# Altium PCB Brake Module PCB.PcbDoc (continued)
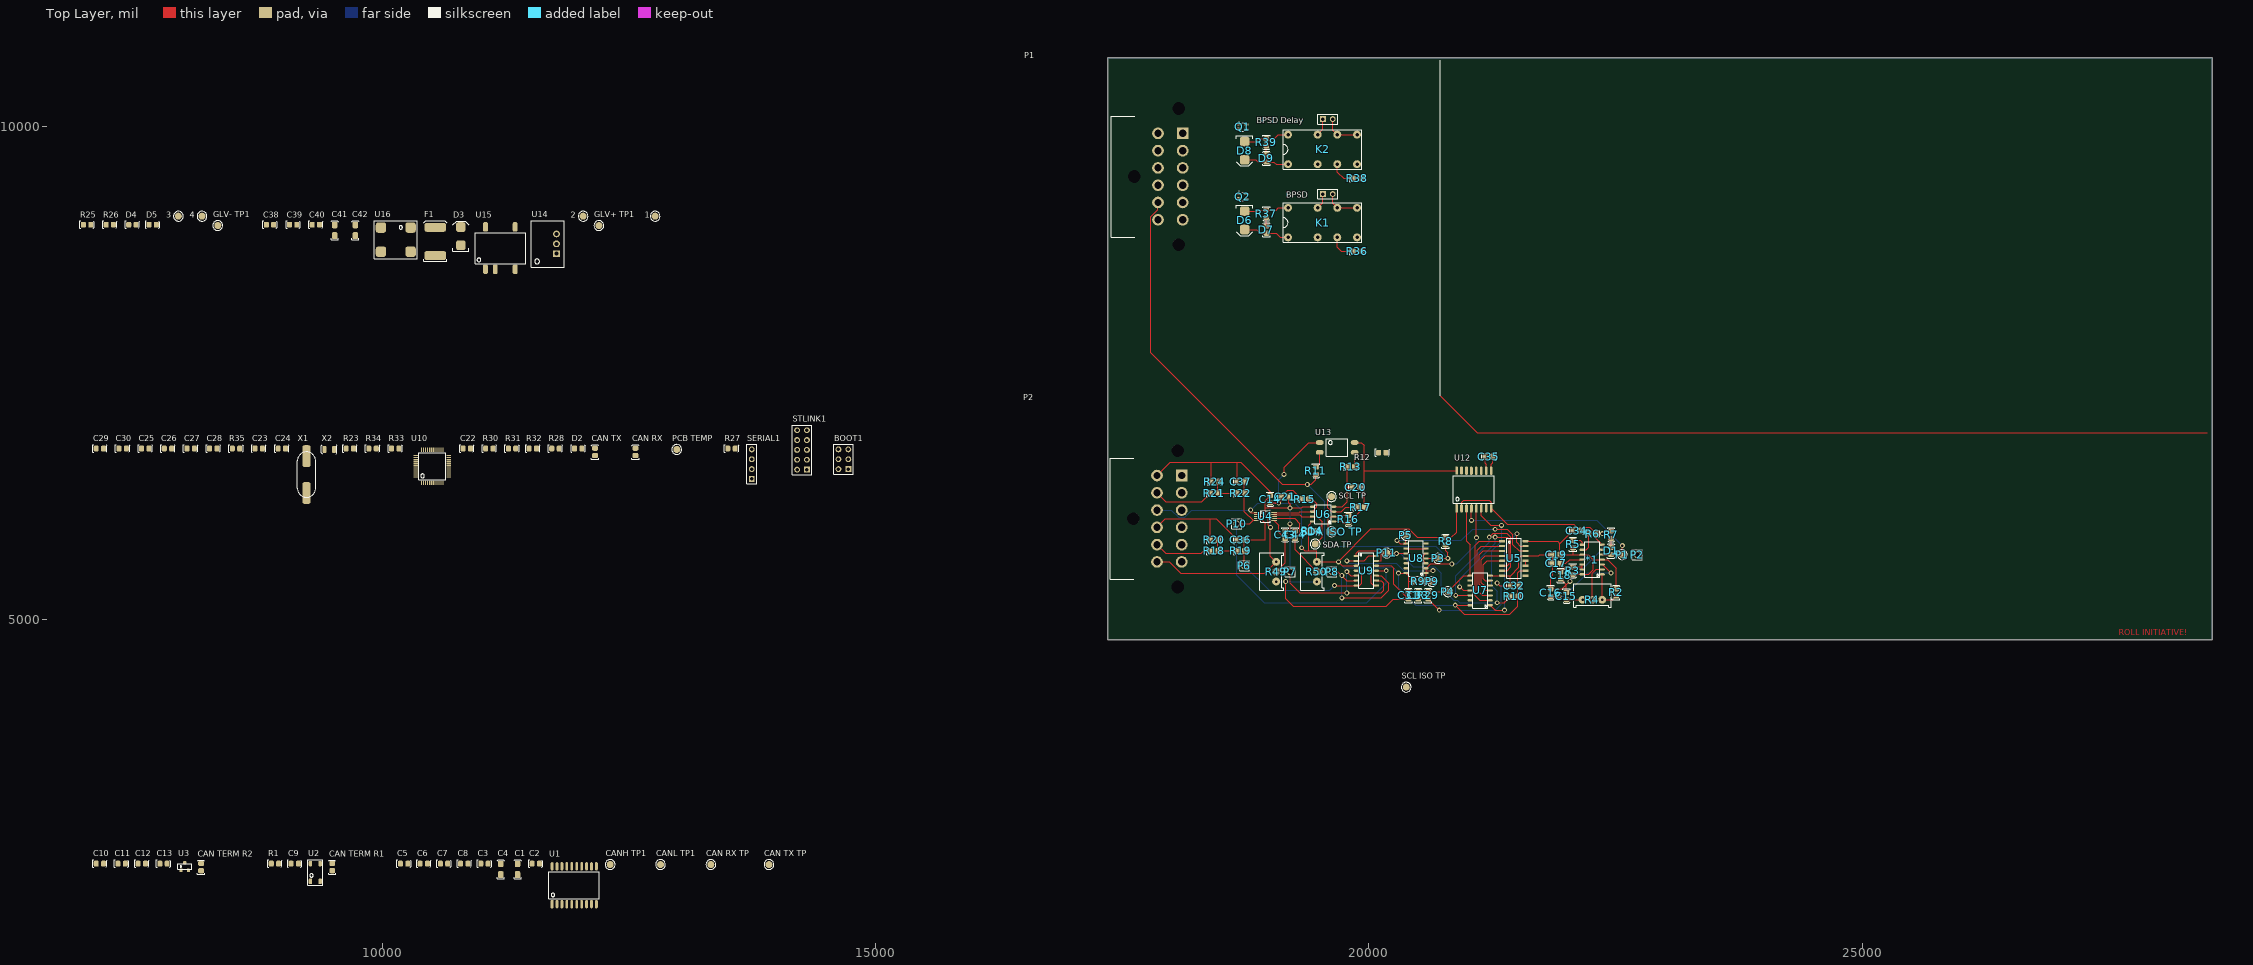
[diagram p0: Top Layer view]
## Part data (continued)
BPSD "BPSD Delay": library part "TH 2.54mm Header 1x2", Angle=0, Contact=NA, Flange=No, Part Number="TH 2.54mm Header 1x2", Pitch=2.54mm, Positions=2, Row Spacing=2.54mm
C1 C4: library part GCM3195C2A103JA16D, Digikey Part Number=490-4978-2-ND, Manufacturer=muRata, Rated Voltage=100V, Tolerance=5%, Material=Ceramic, Part Number=GCM3195C2A103JA16D
C2 C3 C6 C8 C14 C19 C20 C21 C22 C26 C27 C28 C31 C32 C33 C34 C35 C36 C37 C43 C44: library part GCM21BR71E104KA37L, Manufacturer=muRata, Rated Voltage=25V, Tolerance=10%, Material=X7R, Part Number=GCM21BR71E104KA37L
C5 C7 C15 C18 C38 C39 C40: library part GRM21BR6YA106KE43L, Digikey Part Number=490-10514-6-ND, Manufacturer=muRata, Rated Voltage=50V, Tolerance=10%, Material=X5R, Part Number=GRM21BR6YA106KE43L
C9 C23 C24 C29 C30: library part GCM21B5C1H220JA37L, Manufacturer=muRata, Rated Voltage=50V, Tolerance=5%, Material=C0G, Part Number=GCM21B5C1H220JA37L
C10 C11 C12 C13: library part GCM21B5C1H101JA37L, Manufacturer=muRata, Rated Voltage=50V, Tolerance=5%, Material=C0G, Part Number=GCM21B5C1H101JA37L
C16 C17: library part GCM21B5C1H100JA37L, Manufacturer=muRata, Rated Voltage=50V, Tolerance=5%, Material=C0G, Part Number=GCM21B5C1H100JA37L
C25: library part AC0805KKX7R8BB105, Manufacturer=YAGEO, Rated Voltage=25V, Tolerance=10%, Material=X7R, Part Number=AC0805KKX7R8BB105
C41 C42: library part CC1206MKX5R7BB226, Digikey Part Number=311-1997-2-ND, Manufacturer=YAGEO, Rated Voltage=16V, Tolerance=20%, Material=Ceramic, Part Number=CC1206MKX5R7BB226
"CAN RX" "CAN TX": library part SML-MN2BCTT86C, "LED BLUE CLEAR 2012 SMD", Digikey Part Number=846-1207-1-ND, Manufacturer="ROHM Semiconductor", Colour=Blue, Digikey Link=https://www.digikey.com/product-detail/en/rohm-semiconductor/SMLMN2BCTT86C/846-1207-1-ND/6057239, Part Number=SML-MN2BCTT86C
"CAN TERM R1" "CAN TERM R2": library part RC0805FR0756RL, Manufacturer=YAGEO, Rated Voltage=0.125W, Tolerance=0.01, Material=FR-07, Part Number=RC0805FR0756RL
D1: library part SML-211YTT86, "Yellow LED Indication - Discrete 1.75V 0805 (2012 Metric)", Digikey Part Number=511-1293-1-ND, Manufacturer="ROHM Semiconductor", Colour=Yellow, Digikey Link=https://www.digikey.com/product-detail/en/rohm-semiconductor/SML-211YTT86/511-1293-1-ND/637106, Part Number=SML-211YTT86
D2 D4 D5: library part SML-210LTT86, "Red LED Indication - Discrete 1.75V 0805 (2012 Metric)", Digikey Part Number=511-1286-1-ND, Manufacturer="ROHM Semiconductor", Colour=Red, Digikey Link=https://www.digikey.com/product-detail/en/rohm-semiconductor/SML-210LTT86/511-1286-1-ND/637099, Part Number=SML-210LTT86
D3 D6 D8: "1.2V_F 600V 5A SMB", Digikey Part Number=1655-1530-2-ND, Manufacturer="SMC Diode Solutions", Digikey Link=https://www.digikey.com/product-detail/en/smc-diode-solutions/SD560BTR/1655-1530-2-ND/6022620, Part Number=SD560BTR
D7 D9: library part SML-210FTT86, "Green LED Indication - Discrete 1.75V 0805 (2012 Metric)", Digikey Part Number=511-1285-1-ND, Manufacturer="ROHM Semiconductor", Colour=Green, Digikey Link=https://www.digikey.com/product-detail/en/rohm-semiconductor/SML-210FTT86/511-1285-1-ND/637098, Part Number=SML-210FTT86
F1: "PTC RESET FUSE 60V 1A 292", Digikey Part Number=507-2070-1-ND, Manufacturer="Littelfuse Inc.", Digikey Link=https://www.digikey.com/product-detail/en/bel-fuse-inc/0ZCF0100AF2A/507-2070-1-ND/6210547, Part Number=0ZCF0100AF2A
K1 K2: "5V DPDT Relay 3A 220VDC", Digikey Part Number=PB383-ND, Manufacturer=Axicom, Digikey Link=https://www.digikey.com/products/en?mpart=V23105A5001A201&v=41, Part Number=V23105A5475A201
P1 P2: library part DT13-12P[[/\]]DT13-12P, Digikey Part Number=1734-1451-ND, Angle=90, Contact=Nickel, Digikey Link=https://www.digikey.com.au/product-detail/en/te-connectivity-deutsch-connectors/DT13-12PA/1734-1451-ND/7220123, Flange=Yes, Part Number=DT13-12P, Pitch=4.44mm, Positions=12, Row Spacing=6.35mm
P2 P6 P7 P8 P10: library part "TH Test Point", Angle=0, Contact=NA, Flange=No, Part Number="TH Test Point", Pitch=0mm, Positions=1, Row Spacing=0mm
Q1 Q2: "60V 380mA, NFET MOSTFET (Small Signal)", Digikey Part Number=2N7002KCT-ND, Manufacturer="ON Semiconductor", Digikey Link=https://www.digikey.com/product-detail/en/on-semiconductor/2N7002K/2N7002KCT-ND/2060375, LatestRevisionDate=29-May-2009, LatestRevisionNote="IPC-7351 Footprint Added.", PackageDescription="4-Pin SOT-343 Package 1.3 mm Pitch, 2.1 mm Lead Span", PackageReference=SOT-343, PackageVersion=Sep-2000, Part Number=2N7002K, Published=24-Mar-1999, Publisher="Altium Limited", Qty=30
R1 R18 R21: library part RC0805FR070RL, Manufacturer=YAGEO, Rated Voltage=0.125W, Tolerance=0.01, Material=FR-07, Part Number=RC0805FR070RL
R2 R13 R23 R27 R29 R33 R34: library part RC0805FR0710KL, Manufacturer=YAGEO, Rated Voltage=0.125W, Tolerance=0.01, Material=FR-07, Part Number=RC0805FR0710KL
R3: library part RC0805FR071ML, Manufacturer=YAGEO, Rated Voltage=0.125W, Tolerance=0.01, Material=FR-07, Part Number=RC0805FR071ML
R4 R49 R50: library part 3296W-1-103LF, Digikey Part Number=3296W-103LF-ND, Manufacturer="Bournes Inc", Rated Voltage=0.5W, Tolerance=0.1, Part Number=3296W-1-103LF
R5 R6: library part RC0805FR0720KL, Manufacturer=YAGEO, Rated Voltage=0.125W, Tolerance=0.01, Material=FR-07, Part Number=RC0805FR0720KL
R7 R36 R38: library part RC0805FR071K5L, Manufacturer=YAGEO, Rated Voltage=0.125W, Tolerance=0.01, Material=FR-07, Part Number=RC0805FR071K5L
R8 R9 R10 R14 R15 R16 R17: library part RC0805FR073K3L, Manufacturer=YAGEO, Rated Voltage=0.125W, Tolerance=0.01, Material=FR-07, Part Number=RC0805FR073K3L
R11 R25 R37 R39: library part RC0805FR07680RL, Manufacturer=YAGEO, Rated Voltage=0.125W, Tolerance=0.01, Material=FR-07, Part Number=RC0805FR07680RL
R12: library part RC0805FR07100RL, Manufacturer=YAGEO, Rated Voltage=0.125W, Tolerance=0.01, Material=FR-07, Part Number=RC0805FR07100RL
R19 R22: library part RC0805FR071KL, Manufacturer=YAGEO, Rated Voltage=0.125W, Tolerance=0.01, Material=FR-07, Part Number=RC0805FR071KL
R20 R24: library part RC0805FR07200RL, Manufacturer=YAGEO, Rated Voltage=0.125W, Tolerance=0.01, Material=FR-07, Part Number=RC0805FR07200RL
R26 R30 R31 R32: library part RC0805FR07510RL, Manufacturer=YAGEO, Rated Voltage=0.125W, Tolerance=0.01, Material=FR-07, Part Number=RC0805FR07510RL
R28: library part NTCS0805E3103FLT, Digikey Part Number=BC2733CT-ND, Manufacturer="Vishay Beyschlag", Rated Voltage=210mW, Tolerance=0.01, Part Number=NTCS0805E3103FLT
R35: library part RC0805FR0710ML, Manufacturer=YAGEO, Rated Voltage=0.125W, Tolerance=0.01, Material=FR-07, Part Number=RC0805FR0710ML
SERIAL1: library part "TH 2.54mm Header 1x4", Angle=0, Contact=NA, Flange=No, Part Number="TH 2.54mm Header 1x4", Pitch=2.54mm, Positions=4, Row Spacing=2.54mm
STLINK1: library part "TH 2.54mm Header 2x5", Angle=0, Contact=NA, Flange=No, Part Number="TH 2.54mm Header 2x5", Pitch=2.54mm, Positions=10, Row Spacing=2.54mm
U1: "Isolated CAN Transceiver", Digikey Part Number=ADM3053BRWZ-ND, Manufacturer="Analogue Devices", Digikey Link=https://www.digikey.com/product-detail/en/analog-devices-inc/ADM3053BRWZ/ADM3053BRWZ-ND/2709332, Part Number=ADM3053
U2: "100µH @ 100kHz 2 Line Common Mode Choke Surface Mount 5.8 kOhms @ 10MHz 150mA DCR 2Ohm", Digikey Part Number=495-4598-1-ND, Inductance="100µH @ 100kHz", Manufacturer="EPCOS (TDK)", Rated Current=150mA, Digikey Link=https://www.digikey.com/product-detail/en/epcos-tdk/B82787C0104H002/495-4598-2-ND/3680998, Impedence="5.8 kOhms @ 10MHz", Material=Wirewound, Part Number=B82787C0104H002
U3: "Dual Line CAN Bus Protector", Digikey Part Number=NUP2105LT1GOSCT-ND, Manufacturer="ON Semiconductor", Digikey Link=https://www.digikey.com/product-detail/en/on-semiconductor/NUP2105LT1G/NUP2105LT1GOSCT-ND/1485001, Part Number=NUP2105L
U4: "16 Bit Analog to Digital Converter 2, 4 Input 1 Sigma-Delta 10-VSSOP", Digikey Part Number=296-38849-1-ND, Manufacturer="Texas Instruments", Digikey Link=https://www.digikey.com/product-detail/en/texas-instruments/ADS1115IDGSR/296-38849-1-ND/5142969, Part Number=ADS1115
U5: "IC SHIFT REGISTR 8BIT 3ST 16SOIC", Digikey Part Number=MC74HC595ADR2GOSCT-ND, Manufacturer="ON Semiconductor", Digikey Link=https://www.digikey.com/product-detail/en/on-semiconductor/MC74HC595ADR2G/MC74HC595ADR2GOSCT-ND/1139727, Part Number=MC74HC595ADR2G
U6: "I2C Digital Isolator (Multichannel)", Digikey Part Number=296-34871-1-ND, Manufacturer="Texas Instruments", Digikey Link=https://www.digikey.com/product-detail/en/texas-instruments/ISO1540DR/296-34871-1-ND/3587214, Part Number=ISO1540DR
U7: "IC GATE NAND 1CH 8-INP 14SOIC", Digikey Part Number=296-14521-1-ND, Manufacturer="Texas Instruments", Digikey Link=https://www.digikey.com/product-detail/en/texas-instruments/CD74HC30M96/296-14521-1-ND/555580, Part Number=CD74HC30M96
U8: "NAND Gate IC 4 Channel 14-SOIC", Digikey Part Number=296-1187-2-ND, Manufacturer="Texas Instruments", Digikey Link=https://www.digikey.com.au/product-detail/en/texas-instruments/SN74HC00DR/296-1187-2-ND/276830, Part Number=SN74HC00DR
U9: "Comparator General Purpose Open Collector 14-SOIC", Digikey Part Number=296-6611-2-ND, Manufacturer="Texas Instruments", Digikey Link=https://www.digikey.com/product-detail/en/texas-instruments/LMV339MTX-NOPB/296-35446-1-ND/3739150, Part Number=LMV339IDR
U10: "ARM® Cortex®-M3 STM32F1 Microcontroller IC 32-Bit 72MHz 64KB (64K x 8) FLASH", Digikey Part Number=497-6063-ND, Manufacturer=STMicroelectronics, Digikey Link=https://www.digikey.com/product-detail/en/stmicroelectronics/STM32F103C8T6/497-6063-ND/1646338, Part Number=STM32F103C8T6
U12: "General Purpose Digital Isolator 2500Vrms 4 Channel 1Mbps 25kV/µs CMTI 16-SOIC (0.295\", 7.50mm Width)", Digikey Part Number=ADUM1400WSRWZ-ND, Manufacturer="Analog Devices", Digikey Link=https://www.digikey.com/product-detail/en/analog-devices-inc/ADUM1400WSRWZ/ADUM1400WSRWZ-ND/1873713, Part Number=ADuM1400
U13: "35V 50ma Optocoupler (VF=1.2V)", Digikey Part Number=160-1893-2-ND, Manufacturer="Lite-On Inc", Digikey Link=https://www.digikey.com/product-detail/en/lite-on-inc/LTV-817S-TA1/160-1893-2-ND/388451, Part Number=LTV-817S-TA1
U14: "CONV DC/DC 1A 5V OUT SIP VERT", Digikey Part Number=945-1395-5-ND, Manufacturer=Recom, Digikey Link=https://www.digikey.com.au/product-detail/en/recom-power/R-78C5.0-1.0/945-1395-5-ND/2652148, Isolation=Non-Isolated, Part Number=R-78C5.0-1.0
U15: "Isolated Module DC DC Converter 1 Output 3.3V 606mA 4.5V - 5.5V Input", Digikey Part Number=945-2677-5-ND, Input Voltage=4.5V-5.5V, Manufacturer=Recom, Output Power=2W, Output Voltage=3.3V, Digikey Link=https://www.digikey.com/product-detail/en/recom-power/R2S-053.3-P/945-2677-5-ND/2302804, Efficiency=0.75, Isolation=Isolated, Part Number=R2S-053.3/P
U16: "120µH @ 100kHz 2 Line Common Mode Choke Surface Mount 460 Ohms @ 30MHz 2.5A DCR 25mOhm", Digikey Part Number=732-1489-1-ND, Inductance="120uH @ 100kHz", Manufacturer="Wurth Electronics Inc", Rated Current=2.5A, Digikey Link=https://www.digikey.com/product-detail/en/w-rth-elektronik/744272121/732-1489-1-ND/1639501, Impedence="460 Ohms @ 30MHz", Material=Wirewound, Part Number=744272121
X1: library part ABLS-16.000MHZ-B4-T, Digikey Part Number=535-10226-1-ND, Load Capacitance=18pF, Manufacturer="Abracon LLC", Digikey Link=https://www.digikey.com/product-detail/en/abracon-llc/ABLS-16.000MHZ-B4-T/535-10226-1-ND/2184261, ESR=40R, Part Number=ABLS-16.000MHZ-B4-T
X2: library part "FC-135 32.7680KA-A5", Digikey Part Number=SER4103TR-ND, Load Capacitance=12.5pF, Manufacturer=EPSON, Digikey Link=https://www.digikey.com/product-detail/en/epson/FC-135-32.7680KA-A5/SER4103TR-ND/5259895, ESR=70k, Part Number="FC-135 32.7680KA-A5"

## Via types
v1: diameter 50, hole 28, Top Layer to Bottom Layer, 42 vias

## Nets (pads, with @x,y where several pads share a name; then routed paths per layer and width w, separated by ;. In a path a pad name is that pad's centre, name@x,y a point inside that pad or via, vN(x,y) a via of type N, cw(c..) or ccw(c..) an arc to the next point about the centre after c; other vN are vias at no path point)
0V: 3.1 *1.7 C14.1 C15.1 C16.1 C17.1 C18.1 C19.1 C21.1 C31.1 C32.1 C33.1 C34.1 C36.1 C37.1 C40.1 C41.1 C43.1 C44.1 P2.9 P2.12 R6.2 R7.1 R20.1 R24.1 R25.1 R29.1 R49.1 R50.1 U4.3 U5.8 U5.13 U6.5 U7.7 U9.12 U12.2 U12.8 U14.2 U15.1 U16.3 | length 12662
  Top Layer w10: P2.9 17935.51,6025 18392.13,6025 ; P2.12 17984.92,6600 18400,6600 ; R20.1 18392.13,6025 ; R24.1 18400,6600 ; C36.1 18449.17,6025 18392.13,6025 ; C37.1 18662.13,6600 ; U4.3 18949.99,6050 18950,6136.93 ; C43.1 19200,5900 ; v1(19155,5389.82) 19155,5215 19230,5140 20175,5140 20247.13,5212.13 C31.1 ; C21.1 19187.87,6187.13 19200,6175 v1(19200,6137.13) ; v1(19200,5975) 19200,5900 ; C44.1 19200,5900 ; U6.5 19329.17,6149.26 19317.04,6137.13 v1(19200,6137.13) ; U9.12 20225,5549.82 20250,5524.82 20250,5363.16 C31.1 ; C33.1 R29.1 v1(20712.37,5100) ; C33.1 C31.1 ; U12.2 20939,6194 20960,6215 21220,6215 21239,6196 U12.8 21400.98,5970 22078.9,5970 C34.1 22177.83,5940.99 22240.72,5940.99 R6.2 ; U7.7 21349.82,5450 U5.8 21437.13,5449.82 ; v1(21300,5375) 21326.03,5348.97 C32.1 21434.26,5446.95 21437.13,5449.82 ; C18.1 22002.97,5356.19 ; C15.1 22002.97,5356.19 ; v1(22038.78,5392) 22002.97,5356.19 ; *1.7 22305.93,5822.82 R6.2 ; R7.1 22394.18,5902 v1(22367.97,5875.79) R6.2 ; 18400,6600 18662.13,6600 ; 18662.13,6600 18697.94,6600 18998.97,6298.97 C14.1 18998.97,6256.91 18950,6207.94 18950,6136.93 ; 18950,6136.93 18950.2,6137.13 v1(19200,6137.13) ; 21437.13,5449.82 21520,5532.69 21520,5627.48 21542.34,5649.82 U5.13 21719.82,5649.82 21733.14,5663.14 C19.1 C17.1 21862.13,5457.13 21842.97,5437.97 C16.1 21961.65,5314.87 22002.97,5356.19
  Bottom Layer w10: R49.1 v1(19155,5389.82) 19200,5389.82 ; v1(19200,6137.13) v1(19200,5975) 19200,5389.82 ; R50.1 19200,5389.82 ; v1(20712.37,5100) 21281.57,5100 21340,5158.43 21340,5335 v1(21300,5375) ; v1(22038.78,5392) 22365.61,5718.83 22365.61,5763.14
"0V (ISO)": 4.1 BOOT1.5 BOOT1.6 C1.1 C2.1 C7.1 C8.1 C20.1 C22.1 C23.1 C24.1 C25.1 C26.1 C27.1 C28.1 C29.1 C30.1 C35.1 C42.1 K1.8 K2.8 R13.1 R26.1 R28.1 R31.1 R32.1 SERIAL1.4 STLINK1.1 U1.1 U1.3 U1.7 U1.9 U1.10 U6.4 U10.8 U10.23 U10.35 U10.47 U12.9 U12.15 U15.4 | length 708.8
  Top Layer w10: U6.4 19729.26,6149.26 19779.13,6199.13 19779.13,6346 R13.1 ; 19779.16,6345.97 C20.1 ; U12.9 21239,6580 21253.87,6594.87 C35.1
"3.3V (ISO)": 2.1 BOOT1.1 BOOT1.2 C20.2 C25.2 C26.2 C27.2 C28.2 C35.2 C42.2 D2.A D5.A R16.2 R17.2 R23.2 R27.2 SERIAL1.1 STLINK1.7 STLINK1.8 U6.1 U10.1 U10.9 U10.24 U10.36 U10.48 U12.10 U12.16 U13.4 U15.5 | length 2248.8
  Top Layer w10: U6.1 19721.74,5999.26 19735.8,5985.2 R16.2 R17.2 19952,6346 19952,6515 ; U13.4 19924,6800 19952,6772 19952,6515 ; C20.2 19951.97,6345.97 ; U12.16 19952.98,6515.98 19952,6515 ; C35.2 21179.07,6588.93 21189,6579 U12.10
"3V (ISO)": R36.2 R38.2
"5kW Active": P1.8 P3.1 R8.1 R11.2 U8.4 | length 6226.8
  Top Layer w10: P1.8 17856.57,9230.82 17856.57,9160.35 17786.1,9089.89 17786.1,7708.9 19120,6375 v1(19375,6375) 19416.96,6375 19461.96,6420 R11.2 ; U8.4 P3.1 v1(20800,5625) 20800,5680 20776.03,5703.97 R8.1
  Bottom Layer w10: v1(19375,6375) 19550,6200 19550,5749.82 20675.18,5749.82 v1(20800,5625)
5V: 1.1 *1.4 *1.10 *1.14 C14.2 C19.2 C21.2 C31.2 C32.2 C34.2 C41.2 D4.A D6.K D7.A D8.K D9.A K1.1 K2.1 P2.7 P2.10 R2.2 R3.2 R5.1 R8.2 R9.2 R10.2 R14.2 R15.2 R49.3 R50.3 U4.1 U4.8 U5.10 U5.16 U6.8 U7.14 U8.14 U9.3 U12.1 U13.1 U14.3 U15.2 | length 13975.7
  Top Layer w10: P2.7 17975.72,5589.09 18089.82,5475 18943.8,5475 R49.3 19000,5648.43 v1(19000,5939.49) 18980,5959.49 18980,6030 19000,6050 U4.8 ; D6.K 18860,8960 18897.87,8922.13 D7.A 19057.87,8922.13 19100,8880 K1.1 ; D8.K 18852.6,9667.4 18875.28,9644.72 D9.A 19035.28,9644.72 19057.4,9622.6 K2.1 ; v1(18800,6114.69) 18800,6089.37 U4.1 ; C14.2 19046.93,6188.07 19050,6185 v1(19085,6185) 19113.07,6213.07 C21.2 19176.14,6314.1 19225,6314.1 R15.2 ; v1(19139,6477) 19139,6548 19391,6800 U13.1 ; v1(19317.24,5732.76) 19350,5700 19388,5700 ; U6.8 19388.07,5962.33 R14.2 19388.07,5700.07 19388,5700 ; v1@19687.41,5592.41 20020,5925 20401.03,5925 20489.28,5836.75 R8.2 20836.75,5836.75 20889,5889 U12.1 ; U9.3 19730,5549.82 v1(19690,5589.82) R50.3 19472,5700 19388,5700 ; v1(20300,5475) U8.14 20401.03,5448.97 20401.03,5389.82 ; C31.2 20401.03,5389.82 ; R9.2 20402.06,5390.85 20401.03,5389.82 ; U7.14 v1(20875,5150) 20965,5060 21430,5060 21509.06,5139.06 R10.2 C32.2 21509.06,5480 21528.87,5499.82 U5.10 ; U5.16 21912,5799.82 21936.93,5774.89 ; C34.2 21936.93,5774.89 ; R3.2 *1.14 22227.64,5463.14 22272.68,5508.18 22272.68,5613.14 ; 22070.03,5663.17 R5.1 ; R2.2 22506.96,5527 22420.82,5613.14 *1.4 22272.68,5613.14 ; 21936.93,5774.89 C19.2 22070,5663.14 *1.10 22222.68,5663.14 22272.68,5613.14
  Bottom Layer w10: P2.10 17995.27,6114.69 18069.33,6040.63 18130.67,6040.63 18204.73,6114.69 v1(18800,6114.69) 18870.31,6185 19000,6185 ; v1(19000,5939.49) 19000,6185 ; v1(19139,6477) 19085,6423 v1(19085,6185) ; v1(19317.24,5732.76) 19317.24,6114.69 19246.93,6185 v1(19085,6185) ; v1(19690,5589.82) 19750,5529.82 20148.25,5529.82 20158.25,5539.82 20235.18,5539.82 v1(20300,5475) 20300,5323.07 20473.07,5150 v1(20875,5150) ; 19000,6185 v1(19085,6185)
"5V (ISO)": C1.2 C2.2 C7.2 C8.2 U1.6 U1.8
12V/24V: C40.2 U14.1 U16.2
BOOT0: BOOT1.3 R34.1
BOOT1: BOOT1.4 R33.2
"BSPD OK": *1.8 R5.2 | length 124.2
  Top Layer w10: R5.2 22143.07,5806.93 22160.88,5789.12 *1.8
CANH: "CAN TERM R1.2" C11.2 P1.4 U2.1
CANL: "CAN TERM R2.1" C10.2 P1.5 U2.2
CANS: C3.1 C4.1 C5.1 C6.1 C9.1 C10.1 C11.1 C12.1 C13.1 P1.1@18110.15,9935.2 R1.1 U1.11 U1.13 U1.16 U1.20 U3.3
CLOCK: U5.11 U5.12 | length 50
  Top Layer w10: U5.11 U5.12
GLV+: "GLV+ TP1.1" F1.1 P1.12
GLV-: "GLV- TP1.1" C38.1 C39.1 P1.11 U16.4
"HP REF": C43.2 P7.1 R49.2 U4.6 U9.5 U9.9 | length 2350.3
  Top Layer w10: U4.6 19085,5962.24 19085,5890.2 C43.2 19150,5581.2 R49.2 P7.1 19200,5375 19300,5275 v1(19775,5275) 20125,5275 20149.82,5299.82 20149.82,5375 20125,5399.82 U9.9 ; v1(19775,5489.82) 19815,5449.82 U9.5
  Bottom Layer w10: v1(19775,5275) v1(19775,5489.82)
Net*1_1: *1.1 R2.1 R4.3 | length 414.8
  Top Layer w10: *1.1 R4.3 22470.03,5205 R2.1
Net*1_2: *1.2 C15.2 R4.1 R4.2 | length 647.2
  Top Layer w10: C15.2 22165.53,5205.07 R4.1 R4.2 22265.61,5472.82 22305.93,5513.14 *1.2
Net*1_3: *1.3 C16.2 | length 832.3
  Top Layer w10: C16.2 v1(21929.93,5240.07) ; *1.3 22367.38,5563.14 v1(22453.52,5477)
  Bottom Layer w10: v1(21929.93,5240.07) 21982.07,5240.07 22219,5477 v1(22453.52,5477)
Net*1_5: *1.5 D1.A P1.1@22569,5663.14 P2.1@22719,5663.14 U12.4 | length 2051.7
  Top Layer w10: v1(21039,6011) U12.4 ; *1.5 D1.A 22569,5663.14 v1(22569,5754)
  Bottom Layer w10: v1(21039,6011) 22312,6011 v1(22569,5754)
Net*1_9: *1.9 R6.1 | length 217.8
  Top Layer w10: *1.9 22205.32,5713.14 22231.13,5738.95 R6.1
Net*1_11: *1.11 C17.2 | length 240.2
  Top Layer w10: C17.2 21995.83,5573.97 22035,5613.14 *1.11
Net*1_12: *1.12 *1.13 C18.2 R3.1 | length 286
  Top Layer w10: C18.2 21994.05,5537.94 R3.1 22160.68,5537.94 ; *1.13 *1.12
"NetBPSD Bypass1_1": "BPSD Delay.2" BPSD.1 K1.13 K2.9 K2.11 | length 538.8
  Top Layer w10: K1.13 19532.94,9233.97 BPSD.1 ; 19632.94,10080 19632.94,9968.63 K2.11 K2.9
"NetBPSD Bypass1_2": BPSD.2 K1.9 K1.11 P1.9 | length 359.1
  Top Layer w10: BPSD.2 19632.94,9226.03 K1.11 K1.9
"NetBPSD Delay Bypass1_1": "BPSD Delay.1" K2.13 P1.10 | length 179.8
  Top Layer w10: K2.13 19532.94,9976.56 19532.94,10080
NetC3_2: C3.2 C4.2 C5.2 C6.2 U1.12 U1.19
NetC9_2: "CAN TERM R1.1" "CAN TERM R2.2" C9.2
NetC12_2: "CANL TP1.1" C12.2 U1.15 U2.3 U3.1
NetC13_2: "CANH TP1.1" C13.2 U1.17 U2.4 U3.2
NetC33_2: C33.2 P4.1 R29.2 U7.8 U12.3 | length 1289.2
  Top Layer w10: C33.2 R29.2 ; R29.2@20600.26,5286.93 20796.93,5286.93 20960,5450 U7.8 21025,5765 20989,5801 U12.3
NetC36_2: C36.2 P6.1 R19.2 U4.4 U9.4 U9.7 | length 2234.9
  Top Layer w10: P6.1 R19.2 C36.2 18948.97,5812.04 18948.97,5978.98 18897.63,6030.31 U4.4 ; v1(19650,5349.82) U9.7 19899.82,5349.82 19925,5375 19925,5475 19900.18,5499.82 U9.4
  Bottom Layer w10: P6.1 18986.75,5300 19600.18,5300 v1(19650,5349.82)
NetC37_2: C37.2 P10.1 R22.2 U4.5 U9.8 U9.11 | length 3330.7
  Top Layer w10: P10.1 18790.41,5975 18824.82,6009.41 ; C37.2 R22.2 18736.93,6097.3 18824.82,6009.41 ; U4.5@18863.39,6009.41 18824.82,6009.41 ; U9.8 20050.18,5349.82 20025,5375 20025,5475 20049.82,5499.82 U9.11 v1(20174.82,5499.82)
  Bottom Layer w10: P10.1 18659,5453.13 18937.13,5175 19975,5175 20174.82,5374.82 v1(20174.82,5499.82)
NetC38_2: C38.2 C39.2 D3.K U16.1
"NetCAN RX_K": "CAN RX.K" R32.2
"NetCAN TX_K": "CAN TX.K" R31.2
NetD1_K: D1.K R7.2 | length 89.3
  Top Layer w10: D1.K R7.2
NetD2_K: D2.K R30.2
NetD3_A: D3.A F1.2
NetD4_K: D4.K R25.2
NetD5_K: D5.K R26.2
NetD6_A: D6.A K1.16 R37.1 | length 454.5
  Top Layer w10: D6.A 18865.04,9145.04 18877.87,9157.87 R37.1 19057.87,9157.87 19080,9180 K1.16
NetD7_K: D7.K R37.2 | length 86.7
  Top Layer w10: R37.2 18958.97,8998.16 D7.K
NetD8_A: D8.A K2.16 R39.1 | length 469.1
  Top Layer w10: D8.A 18852.44,9852.44 18880.47,9880.47 R39.1 19039.53,9880.47 19081.66,9922.6 K2.16
NetD9_K: D9.K R39.2 | length 86.6
  Top Layer w10: R39.2 18958.97,9720.55 D9.K@18960,9719.52
NetK1_6: K1.6 R36.1 | length 278.5
  Top Layer w10: K1.6 19678.97,8781.03 19721.03,8738.97 R36.1
NetK2_6: K2.6 R38.1 | length 268.2
  Top Layer w10: K2.6 19678.97,9543.16 19743.16,9478.97 R38.1
NetP2_8: P2.8 R18.1 | length 589.5
  Top Layer w10: P2.8 17939.29,5675 18300,5675 18325,5700 R18.1
NetP2_11: P2.11 R21.1 | length 615.7
  Top Layer w10: P2.11 17939.88,6200 18304.31,6200 R21.1
NetP5_1: P5.1 U5.14 U8.8 | length 1690.7
  Top Layer w10: v1(20283.07,5806.93) 20315,5775 U8.8 P5.1 ; v1(21280,5920) 21404.26,5920 21460,5864.26 21460,5765 21525.18,5699.82 U5.14
  Bottom Layer w10: v1(20283.07,5806.93) 20936.93,5806.93 21050,5920 v1(21280,5920)
NetP9_1: P9.1 R9.1 U8.1 U8.2 U9.2 U9.14 U12.5 | length 2535.7
  Top Layer w10: v1(19775,5599.82) U9.2 19949.82,5599.82 19999.82,5649.82 U9.14 ; P9.1 R9.1 20579.72,5432.7 U8.1 20579.72,5500 ; v1(20649.82,5499.82) 20579.91,5499.82 20579.72,5500 ; v1(20840,5568.51) 20625,5568.51 20581.49,5525 U8.2 20579.72,5500 ; U12.5 21090,6130.98 v1(21090,5835)
  Bottom Layer w10: v1(19775,5599.82) 19799.82,5575 20275,5575 20350.18,5499.82 v1(20649.82,5499.82) ; v1(20840,5568.51) 20888.69,5568.51 21090,5769.82 v1(21090,5835)
NetP11_1: P11.1 R10.1 U8.10 U9.1 U9.13 U12.6 | length 3319.3
  Top Layer w10: U9.1 19871,5675.82 19895.18,5700 20100,5700 20125,5675 ; U9.13 20125,5599.82 20125,5675 ; U8.10 v1(20280,5675) 20125,5675 ; U12.6 21139,6056 21235,5960 v1(21345,5960) ; v1(21300,5175) 21370.29,5175 R10.1
  Bottom Layer w10: v1(20280,5675) 20314.82,5675 20450,5539.82 20666.39,5539.82 20731.21,5475 20731.21,5328.79 20860,5200 20896.57,5200 20921.57,5175 v1(21300,5175) 21300,5290 21245,5345 21245,5700 21345,5800 v1(21345,5960)
NetR1_2: R1.2 U1.18
NetR11_1: R11.1 U13.2 | length 163.9
  Top Layer w10: R11.1 19500,6589.87 U13.2
NetR12_1: R12.1 R13.2 U13.3 | length 147.2
  Top Layer w10: R13.2 19853.93,6699.6 U13.3
NetR14_1: "SDA TP.1" R14.1 U4.9 U6.7 | length 863.2
  Top Layer w10: U4.9 19300,6069.69 19320.43,6049.26 U6.7 19474.26,6049.26 19525,5998.51 19525,5964.77 ; 19455,5770 19525,5840 19525,5964.77 ; R14.1 19525,5964.77
NetR15_1: R15.1 U4.10 U6.6 | length 594.6
  Top Layer w10: U4.10@19036.61,6089.69 19290.43,6089.69 19300,6099.26 U6.6 19472,6146.26 19472,6178 19423.97,6226.03 R15.1
NetR18_2: R18.2 R19.1 R20.2 | length 308.3
  Top Layer w10: R20.2@18466.93,5813.07 R20.2 R18.2 R19.1
NetR21_2: R21.2 R22.1 R24.2 | length 311.5
  Top Layer w10: R24.2@18466.93,6404.17 R21.2 R22.1
NetR33_1: R33.1 U10.20
NetR34_2: R34.2 U10.44
NetU5_1: U5.1 U7.2 | length 969.8
  Top Layer w10: U7.2 21125,5200 21080,5245 21080,5759.82 21120,5799.82 U5.1
NetU5_2: U5.2 U7.3 | length 826.8
  Top Layer w10: U7.3 21150,5250 21100,5300 21100,5709.82 21140,5749.82 U5.2
NetU5_3: U5.3 U7.4 | length 681
  Top Layer w10: U7.4 21180,5300 21120,5360 21120,5659.82 21160,5699.82 U5.3
NetU5_4: U5.4 U7.5 | length 558.5
  Top Layer w10: U7.5 21170,5350 21140,5380 21140,5609.82 21180,5649.82 U5.4
NetU5_5: U5.5 U7.6 | length 424.5
  Top Layer w10: U7.6 21180,5400 21160,5420 21160,5560 21199.82,5599.82 U5.5
NetU5_6: U5.6 U7.11 | length 1249.7
  Top Layer w10: v1(20920,5336.14) 20956.14,5300 U7.11 ; v1(21280,5840) 21400,5840 21420,5820 21420,5569.82 21400,5549.82 U5.6
  Bottom Layer w10: v1(20920,5336.14) 20920,5420 21280,5780 v1(21280,5840)
NetU5_7: U5.7 U7.12 | length 1534.5
  Top Layer w10: v1(20880,5250) U7.12 ; v1(21220,5840) 21260,5880 21397.13,5880 21440,5837.13 21440,5538.97 21400.85,5499.82 U5.7
  Bottom Layer w10: v1(20880,5250) 20880,5450 21220,5790 v1(21220,5840)
NetU5_15: U5.15 U7.1 | length 1184.2
  Top Layer w10: U7.1 21230,5150 21280,5100 v1(21375,5100) ; v1(21500,5875) 21500,5785.94 21536.12,5749.82 U5.15
  Bottom Layer w10: v1(21375,5100) 21375,5750 v1(21500,5875)
NetU8_3: U8.3 U8.5 | length 136.7
  Top Layer w10: U8.3 20577.95,5575 20537.87,5615.08 20537.87,5634.92 20577.95,5675 U8.5
NetU8_6: U8.6 U8.9 | length 204.7
  Top Layer w10: U8.9 U8.6
NRST: R23.1 STLINK1.2 U10.7
PA0: U10.10
PA1: U10.11
PA2: U10.12
PA3: U10.13
PA4: K1.4 U10.14
PA5: K2.4 U10.15
PA6: U10.16
PA7: U10.17
PA8: U10.29
PA9: SERIAL1.2 U10.30
PA10: SERIAL1.3 U10.31
PA15: U10.38
PB0: U10.18
PB1: "PCB TEMP.1" C22.2 R27.1 R28.2 U10.19
PB3: U10.39
PB4: "CAN TX.A" U10.40
PB5: "CAN RX.A" U10.41
PB6: "SCL ISO TP.1" "SCL TP.1" R17.1 U6.3 U10.42 | length 457.1
  Top Layer w10: 19620,6251.03 19583,6214.03 19583,6138.98 19622.73,6099.26 U6.3 19718.26,6099.26 19764.2,6145.2 R17.1
PB7: "SDA ISO TP.1" R16.1 U6.2 U10.43 | length 369.1
  Top Layer w10: 19620,5895 19585,5930 19585,6030.31 19603.94,6049.26 U6.2 19711.26,6049.26 19722,6060 R16.1
PB8: "CAN TX TP.1" U1.5 U10.45
PB9: "CAN RX TP.1" U1.4 U10.46
PB10: U10.21
PB11: R12.2 U10.22
PB12: U10.25 U12.14
PB13: U10.26 U12.13
PB14: U10.27 U12.12
PB15: U10.28 U12.11
PC13: R30.1 U10.2
"SHORT REF": C44.2 P8.1 R50.2 U4.7 U9.6 U9.10 | length 2282.6
  Top Layer w10: U4.7 19246.38,6030.31 19300,5976.69 19300,5875.2 C44.2 19250,5711.82 R50.2 P8.1 19685.18,5489.82 v1(19725,5450) 19775.18,5399.82 U9.6 ; v1(19725,5225) 20125,5225 20200,5300 20200,5374.82 20125,5449.82 U9.10
  Bottom Layer w10: v1(19725,5225) v1(19725,5450)
SWCLK: STLINK1.3 U10.37
SWDIO: STLINK1.5 U10.34
Trigger: *1.6
USBDM: U10.32
USBDP: U10.33
XTALA: C29.2 R35.1 U10.5 X1.1
XTALB: C30.2 R35.2 U10.6 X1.2
XTALC: C23.2 U10.3 X2.1
XTALD: C24.2 U10.4 X2.2
pads on no net: P1.0 P1.2 P1.3 P1.6 P1.7 P2.0 P2.1@18100,6465.08 P2.2 P2.3 P2.4 P2.5 P2.6 Q1.1 Q1.2 Q1.3 Q1.4 Q2.1 Q2.2 Q2.3 Q2.4 STLINK1.4 STLINK1.6 STLINK1.9 STLINK1.10 U1.2 U1.14 U4.2 U5.9 U7.9 U7.10 U7.13 U8.7 U8.11 U8.12 U8.13 U12.7 U15.8
copper on no net: | length 30930.3
  Top Layer w10: 20725,7275 21100,6900 28500,6900
  Bottom Layer w10: 17350,4800 17350,10700 28550,10700 28550,4800

## Polygon pours and split planes (outlines as drawn)
no net on Top Layer "NONET_L01_P000" (solid, pour order 0): 11385,5

## Other copper
Top Layer:
  text "ROLL INITIATIVE!" at 27605,4843 h60

## Silkscreen, mask and mechanical layers (free items; w line width, h text height)
Top Overlay:
  lines w10: 20725,7275 20725,10675